# Altium PCB iPlug.PcbDoc (continued)
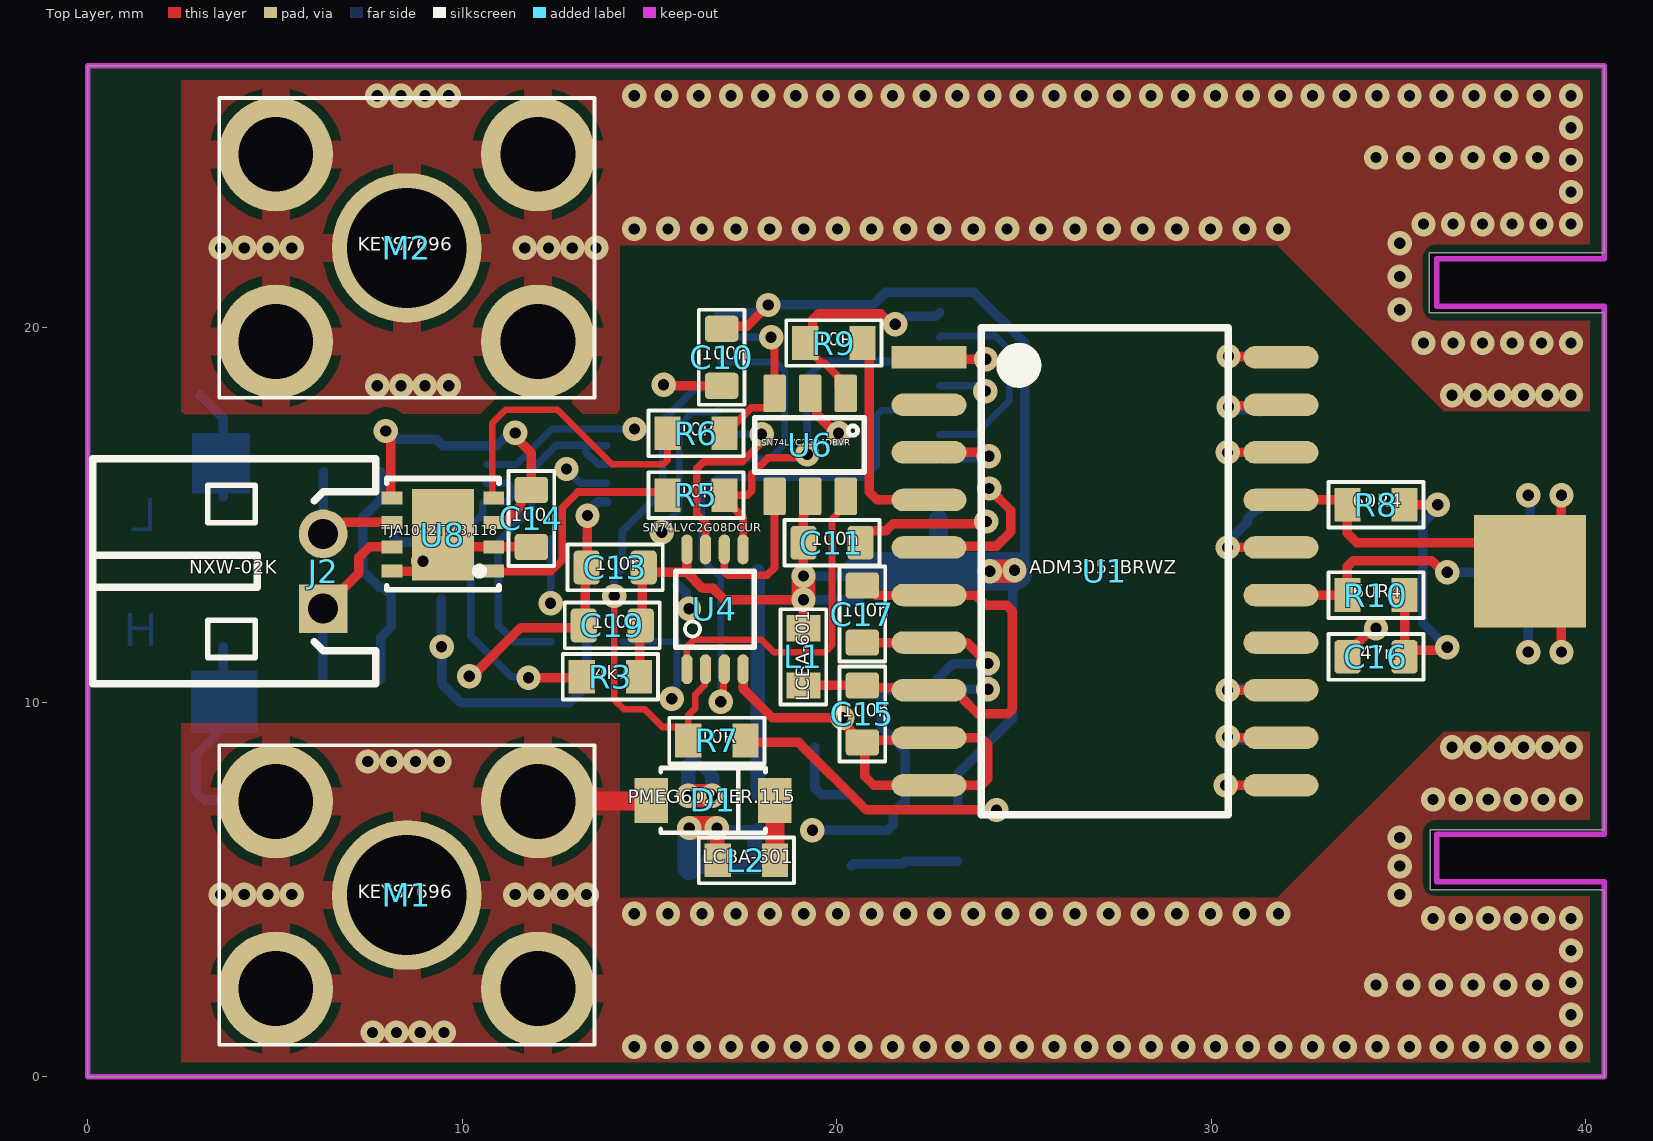
[diagram p0: Top Layer view]
## Design rules (kind name [scope] priority, off if disabled: settings) (continued)
SilkToSolderMaskClearance SilkToSolderMaskClearance_2 [IsPad] p2: minsilkscreentomaskgap=0.254 clearancetoexposedcopper=TRUE
SilkToSolderMaskClearance SilkToSolderMaskClearance_1 [IsPad] p3: minsilkscreentomaskgap=0.254 clearancetoexposedcopper=TRUE
SolderMaskExpansion SolderMaskExpansion_2 [isvia] p1: expansion=-0.762 istentingtop=FALSE
SolderMaskExpansion [All] p2: expansion=0.051 istentingtop=FALSE
UnRoutedNet UnRoutedNet_2 [All] p2:
UnRoutedNet UnRoutedNet_1 [All] p3:
UnpouredPolygon UnpouredPolygon_2 [All] p2:
UnpouredPolygon UnpouredPolygon_1 [All] p3:
Width [All] p1: maxlimit=5.08 minlimit=0.178 preferedwidth=0.254 minimp=50.000000 maximp=50.000000 favimp=50.000000
24 further rules are at their usual default settings.

## Components (designator, comment, footprint, x,y, rotation, side; value= is the part's Value field where it differs from the comment)
C3 "100n" C0603 18.656,8.801 r180 bottom
C4 "10u" C1206 16.065,7 r90 bottom
C5 "10u" C1206 22.72,12.075 r270 bottom
C6 "47n" C0603 8.206,13.614 r270 bottom
C7 "100n" C0603 31.331,18.504 r90 bottom
C8 "47p" C0603 15.735,12.382 r90 bottom
C9 "47p" C0603 10.198,14.186 r180 bottom
C10 "100n" C0603 16.929,19.215 r270 top
C11 "100n" C0603 19.875,14.262 r0 top
C12 "100n" C0603 9.461,16.116 r270 bottom
C13 "100n" C0603 14.084,13.602 r180 top
C14 "100n" C0603 11.847,14.91 r270 top
C15 "100n" C0603 20.688,9.69 r270 top
C16 "47n" C0603 34.404,11.214 r0 top
C17 "100n" C0603 20.688,12.357 r270 top
C18 "10n" C0603 31.305,9.665 r270 bottom
C19 "100n" C0603 14.008,12.052 r180 top
D1 "PMEG6020ER.115" SOD123 16.7,7.379 r180 top
D2 "PMEG6020ER.115" SOD123 19.545,10.325 r0 bottom
D3 "SMCJ33A" DO-214AC 3.619,13.486 r270 bottom
J2 "NXW-02K" JST-2-2-H 6.286,13.5 r270 top locked
L1 "LCBA-601" R0603 19.113,11.214 r270 top
L2 "LCBA-601" R0603 17.589,5.778 r180 top
L3 "22uH" L4040 19.291,13.5 r0 bottom
L5 "LCBA-601" R0603 31.305,15.913 r270 bottom
M1 "KEYS7696" KEY-7696 8.521,4.853 r90 top
M2 "KEYS7696" KEY-7696 8.521,22.136 r90 top
R1 "54k9" R0603 23.228,6.515 r90 bottom
R2 "10k" R0603 21.831,6.515 r270 bottom
R3 "4k7" R0603 13.957,10.681 r0 top
R4 "4k7" R0603 10.198,12.763 r180 bottom
R5 "10R" R0603 16.243,15.532 r180 top
R6 "10R" R0603 16.243,17.183 r180 top
R7 "10R" R0603 16.802,8.979 r180 top
R8 "60R4" R0603 34.404,15.278 r0 top
R9 "10R" R0603 19.926,19.596 r180 top
R10 "60R4" R0603 34.404,12.865 r0 top
R11 "60R4" R0603 7.037,10.592 r0 bottom
R12 "60R4" R0603 7.063,16.154 r0 bottom
TP1 "TP" TP 22.72,14.897 r90 bottom
U1 "ADM3053BRWZ" SOIC-20-W 27.165,13.5 r0 top locked
U2 "LMR16006" SOT-23-6 19.144,6.581 r270 bottom
U3 "SN74LV32APWR" PW0014A_N 19.799,18.453 r180 bottom
U4 "SN74LVC2G08DCUR" VSSOP-8-0.5 16.751,12.484 r90 top
U5 "SN74LVC2G07DBVR" DBV0006A_N 13.322,12.992 r270 bottom
U6 "SN74LVC2G04DBVR" DBV0006A_N 19.291,16.875 r270 top
U7 "SN74LVC2G132DCUT" VSSOP-8-0.5 12.255,16.103 r180 bottom value=SN74LVC2G132
U8 "TJA1042TK/3,118" HVSON8 9.485,14.478 r180 top

## Footprints (in the part's own frame and the unit in brackets; to place one, negate y for a bottom-side part, rotate by r counter-clockwise, add the part's x,y. Pads: shape width x height; smd on the part's side, far side on the other; paste and mask are expansions set on the pad)
C0603 [mm] "Chip Capacitor, Body 1.6x0.8mm, IPC High Density"
  rrect30% 0.7x0.9 smd: 1(-0.762,0) 2(0.762,0)
  silkscreen extent -1.27,-0.61 1.27,0.61, body extent -0.8,-0.4 0.8,0.4, height 0.5
C1206 [mm]
  rect 1.1x1.7 smd: 1(-1.425,0) 2(1.425,0)
  silkscreen extent -0.4,-0.75 0.4,0.75, body extent -1.6,-0.8 1.6,0.8, height 1
DBV0006A_N [mm] "SOT23, 6-Leads, Body 2.9x1.6mm, Pitch 0.95mm, Lead Span 2.8mm, IPC Medium Density"
  rrect17% 1x0.6 smd: 1(-1.375,0.95) 2(-1.375,0) 3(-1.375,-0.95) 4(1.375,-0.95) 5(1.375,0) 6(1.375,0.95)
  silkscreen extent -0.73,-1.48 0.72,1.45, body extent -1.42,-1.46 1.42,1.46, height 1.12
DO-214AC [mil] "HSMA"
  rect 70x85 smd: A(-78.94,0) K(78.94,0)
  silkscreen extent -85,-50 86,51, body extent -108,-55 108,55, height 102
HVSON8 [mm]
  rect 0.55x0.35 smd: 1(-1.36,0.975) 2(-1.36,0.325) 3(-1.36,-0.325) 4(-1.36,-0.975) 5(1.36,-0.975) 6(1.36,-0.325) 7(1.36,0.325) 8(1.36,0.975)
  rect 1.65x2.45 smd: 9(0,0)
  silkscreen extent -1.5,-1.5 1.5,1.48, body extent -1.5,-1.5 1.5,1.48, height 1
JST-2-2-H [mm] "2.00mm Male Vertical Shrouded Header, 2p"
  rect 1.3x1.3 hole 0.8: 1(1,0)
  round 1.3 hole 0.8: 2(-1,0)
  silkscreen extent -3,-6.15 3,1.4, body extent -3,-6.2 3,1.4, height 4.81
KEY-7696 [mm]
  round 3.048 hole 2: 1(-2.5,3.5) 2(2.5,3.5) 3(-2.5,-3.5) 4(2.5,-3.5)
  round 4 hole 3.2: 5(0,0)
  silkscreen extent -4,-5.01 4,5.01, body extent -3.89,-4.64 3.99,4.5, height 8.14
L4040 [mm]
  rect 1.2x3.7 smd: 1(-1.4,0) 2(1.4,0)
  silkscreen extent -2,-2 2,2, body extent -2,-2 2,2, height 1.1
PW0014A_N [mm] "TSOP, 14-Leads, Body 5x4.4mm, Pitch 0.65mm, IPC Medium Density"
  rect 1.4x0.45 smd: 1(-2.95,1.95)
  oval 1.4x0.45 smd: 2(-2.95,1.3) 3(-2.95,0.65) 4(-2.95,0) 5(-2.95,-0.65) 6(-2.95,-1.3) 7(-2.95,-1.95) 8(2.95,-1.95) 9(2.95,-1.3) 10(2.95,-0.65) 11(2.95,0) 12(2.95,0.65) 13(2.95,1.3) 14(2.95,1.95)
  silkscreen extent -2,-2.5 2,2.5, body extent -3.21,-2.5 3.21,2.5, height 1
R0603 [mm] "Chip Resistor, Body 1.6x0.8mm, IPC High Density"
  rect 0.7x0.9 smd: 1(-0.762,0) 2(0.762,0)
  silkscreen extent -1.27,-0.61 1.27,0.61, body extent -0.8,-0.42 0.84,0.43, height 0.46
SOD123 [mm]
  rect 0.9x1.2 smd: 1(1.65,0) 2(-1.65,0)
  silkscreen extent -1.4,-0.86 1.4,0.86, body extent -1.85,-0.86 2,0.84, height 1.46
SOIC-20-W [mm]
  rect 2x0.6 smd: 1(-4.7,5.715)
  oval 2x0.6 smd: 2(-4.7,4.445) 3(-4.7,3.175) 4(-4.7,1.905) 5(-4.7,0.635) 6(-4.7,-0.635) 7(-4.7,-1.905) 8(-4.7,-3.175) 9(-4.7,-4.445) 10(-4.7,-5.715) 11(4.7,-5.715) 12(4.7,-4.445) 13(4.7,-3.175) 14(4.7,-1.905) 15(4.7,-0.635) 16(4.7,0.635) 17(4.7,1.905) 18(4.7,3.175) 19(4.7,4.445) 20(4.7,5.715)
  silkscreen extent -3.3,-6.5 3.3,6.5, body extent -5.1,-6.45 5.2,6.35, height 2.65
SOT-23-6 [mm]
  rect 0.6x1.2 smd: 1(-0.95,-1.25)
  oval 0.6x1.2 smd: 2(0,-1.25) 3(0.95,-1.25) 4(0.95,1.25) 5(0,1.25) 6(-0.95,1.25)
  silkscreen extent -1.92,-1.33 1.5,0.42, body extent -1.5,-1.58 1.5,1.42, height 1.3
TP [mil]
  round 40 smd paste-100: 1(0,0)
VSSOP-8-0.5 [mm] "TSSOP, 8-Leads, Body 2x2.3mm, Pitch 0.5mm, IPC Medium Density"
  oval 0.8x0.3 smd: 1(-1.6,0.75) 2(-1.6,0.25) 3(-1.6,-0.25) 4(-1.6,-0.75) 5(1.6,-0.75) 6(1.6,-0.25) 7(1.6,0.25) 8(1.6,0.75)
  silkscreen extent -1.02,-1.05 1.02,1.05, body extent -1.56,-1 1.56,1, height 0.9

## Part data
C3 C7 C10 C11 C12 C13 C14 C15 C17 C19: library part C-013, "Capacitor: ceramic; 100nF; 50V; X7R; ±10%; SMD; 0603; Series: GRM", Manufacturer=Murata, Part Number=GRM188R71H104KA93D, ComponentLink1Description=Datasheet, ComponentLink1URL=D:\Datasheets\.pdf, ComponentLink2Description=Dostawca, ComponentLink2URL=http://www.tme.eu/pl/katalog/?idp=1&search=GRM188R71H104KA93D, Indeks=C-0013, Supplier=TME, Supplier Code=GRM188R71H104KA93D
C4 C5: library part C-022, "Capacitor: ceramic; 10uF; 35V; X7R; ±10%; SMD; 1206", Manufacturer=Samnsung, Part Number=CL31B106KLHNNNE, ComponentLink1Description=Datasheet, ComponentLink1URL=D:\Datasheets\.pdf, ComponentLink2Description=Dostawca, ComponentLink2URL=http://www.tme.eu/pl/katalog/?idp=1&search=CL31B106KLHNNNE, Indeks=C-0019, Supplier=TME, Supplier Code=CL31B106KLHNNNE
C6 C16: library part C-012, "Capacitor: ceramic; MLCC; 47nF; 50V; X7R; ±10%; SMD; 0603", Manufacturer=Kemet, Part Number=C0603C473K5RACTU, ComponentLink1Description=Datasheet, ComponentLink1URL=D:\Datasheets\.pdf, ComponentLink2Description=Dostawca, ComponentLink2URL=http://www.tme.eu/pl/katalog/?idp=1&search=C0603C473K5RAC, Indeks=C-0012, Supplier=TME, Supplier Code=C0603C473K5RAC
C8 C9: library part C-004, "Capacitor: ceramic; 47pF; 100V; C0G; ±5%; SMD; 0603", Manufacturer=AVX, Part Number=06031A470JAT2A, ComponentLink1Description=Datasheet, ComponentLink1URL=D:\Datasheets\.pdf, ComponentLink2Description=Dostawca, ComponentLink2URL=http://www.tme.eu/pl/katalog/?idp=1&search=06031A470JAT2A, Indeks=C-004, Supplier=TME, Supplier Code=06031A470JAT2A
C18: library part C-011, "Capacitor: ceramic; MLCC; 10nF; 50V; X7R; ±5%; SMD; 0603", Manufacturer=Vishay, Part Number=VJ0603Y103JXACW1BC, ComponentLink1Description=Datasheet, ComponentLink1URL=D:\Datasheets\.pdf, ComponentLink2Description=Dostawca, ComponentLink2URL=http://www.tme.eu/pl/katalog/?idp=1&search=VJ0603Y103JXACW1BC, Indeks=C-0011, Supplier=TME, Supplier Code=VJ0603Y103JXACW1BC
D1 D2: library part STPS2H100A, "Diode: Schottky rectifying; SMD; 60V; 2A; SOD123W", Manufacturer=Nexperia, ComponentLink1Description=Datasheet, ComponentLink1URL=E:\Datasheets\PMEG6020ER.115.pdf, ComponentLink2Description=Dostawca, ComponentLink2URL=http://www.tme.eu/pl/katalog/?idp=1&search=PMEG6020ER.115, Supplier=TME, Supplier Code=PMEG6020ER.115
D3: library part D_Transil_Uni, "Transil", Manufacturer=ST, ComponentLink1Description=Datasheet, ComponentLink1URL=E:\Datasheets\, ComponentLink2Description=Dostawca, ComponentLink2URL=http://www.tme.eu/pl/katalog/?idp=1&search=, Supplier=TME, Supplier Code=SMCJ33A
J2: "Socket; wire-board; male; angled 2mm; PIN:2; THT; 1A; tinned", Manufacturer=Ninigi, ComponentLink1Description=Datasheet, ComponentLink1URL=D:\Datasheets\.pdf, ComponentLink2Description=Dostawca, ComponentLink2URL=http://www.tme.eu/pl/katalog/?idp=1&search=NXW-02K, Part Number=NXW-02K, Supplier=TME, Supplier Code=NXW-02K
L1 L2 L5: "Ferrite: bead; Imp.@ 100MHz:600Ohm; Mounting: SMD; 1A; Case:0603", Manufacturer=Ferrocore, ComponentLink1Description=Datasheet, ComponentLink1URL=D:\Datasheets\.pdf, ComponentLink2Description=Dostawca, Indeks=IND, Part Number=LCBA-601, Supplier=TME, Supplier Code=LCBA-601
L3: library part L4040, "Inductor: wire; SMD; 1515; 22uH; 790mA; 0.37R; 4x4x1.65mm", Manufacturer=Murata, Part Number=LQH44PN220MP0L, ComponentLink1Description=Datasheet, ComponentLink1URL=D:\Datasheets\.pdf, ComponentLink2Description=Dostawca, Indeks=IND, Supplier=TME, Supplier Code=LQH44PN220MP0L
M1 M2: library part "M3 pcb", "Terminal: screw terminal; THT, screw terminal; silver; 7x5mm", Manufacturer=Keystone, Part Number=7696, ComponentLink1Description=Datasheet, ComponentLink1URL=E:\Datasheets\7696.pdf, ComponentLink2Description=Dostawca, Supplier=TME, Supplier Code=KEYS7696
R1: library part R-016, "Resistor: thick film; SMD; 0603; 54.9k; 0.1W; ±1%;", Manufacturer=Yageo, Part Number=RC0603FR-0754K9L, Tolerance=1%, ComponentLink1Description=Datasheet, ComponentLink1URL=D:\Datasheets\.pdf, ComponentLink2Description=Dostawca, ComponentLink2URL=http://www.tme.eu/pl/katalog/?idp=1&search=RC0603FR-0754K9L, Indeks=R-016, Supplier=TME, Supplier Code=RC0603FR-0754K9L
R2: library part R-012, "Resistor: thick film; SMD; 0603; 10k; 0.125W; ±5%", Manufacturer=Walsin, Part Number=WF06P103JTL, Tolerance=5%, ComponentLink1Description=Datasheet, ComponentLink1URL=D:\Datasheets\.pdf, ComponentLink2Description=Dostawca, ComponentLink2URL=http://www.tme.eu/pl/katalog/?idp=1&search=WF06P-10K-5%, Indeks=R-011, Supplier=TME, Supplier Code=WF06P-10K-5%
R3 R4: library part R-011, "Resistor: thick film; SMD; 0603; 4.7k; 0.125W; ±5%", Manufacturer=Walsin, Part Number=WF06P472JTL, Tolerance=5%, ComponentLink1Description=Datasheet, ComponentLink1URL=D:\Datasheets\.pdf, ComponentLink2Description=Dostawca, ComponentLink2URL=http://www.tme.eu/pl/katalog/?idp=1&search=WF06P-4K7-5%, Indeks=R-011, Supplier=TME, Supplier Code=WF06P-4K7-5%
R5 R6 R7 R9: library part R-001, "Resistor: thick film; SMD; 0603; 10R; 0.1W; ±5%", Manufacturer="Royal Ohm", Part Number=0603SAJ0100T5E, Tolerance=5%, ComponentLink1Description=Datasheet, ComponentLink1URL=D:\Datasheets\.pdf, ComponentLink2Description=Dostawca, ComponentLink2URL=http://www.tme.eu/pl/katalog/?idp=1&search=SMD0603-10R, Indeks=R-001, Supplier=TME, Supplier Code=SMD0603-10R
R8 R10 R11 R12: library part R-044, "Resistor: thick film; SMD; 0603; 60R4; 0.1W;", Manufacturer="Royal Ohm", Part Number=0603SAF604JT5E, Tolerance=1%, ComponentLink1Description=Datasheet, ComponentLink1URL=D:\Datasheets\.pdf, ComponentLink2Description=Dostawca, ComponentLink2URL=http://www.tme.eu/pl/katalog/?idp=1&search=SMD0603-60R4-1%, Indeks=R-044, Supplier=TME, Supplier Code=SMD0603-60R4-1%
TP1: "Test point", ComponentLink1Description=Datasheet, ComponentLink1URL=D:\Datasheets\.pdf, ComponentLink2Description=Dostawca
U1: "Signal and Power Isolated CAN Transceiver with Integrated Isolated DC-to-DC Converter", Manufacturer="Analog Devices", Part Number=ADM3053BRWZ-REEL7, ComponentLink1Description=Datasheet, ComponentLink1URL=E:\Datasheets\ADM3053.pdf, ComponentLink2Description=Dostawca, ComponentLink2URL=http://www.tme.eu/pl/katalog/?idp=1&search=ADM3053BRWZ-REEL7, Supplier=TME, Supplier Code=ADM3053BRWZ-REEL7
U2: "60 V 0.6 A Buck Regulators With High Efficiency ECO  Mode", Manufacturer=ST, Part Number=LMR16006XDDCR, ComponentLink1Description=Datasheet, ComponentLink1URL=E:\Datasheets\lmr16006.pdf, ComponentLink2Description=Dostawca, ComponentLink2URL=http://pl.farnell.com/search?st=2781719, Supplier=Farnell, Supplier Code=2781719
U3: library part CMP-0050867-1, "Quadruple 2-Input Positive-OR Gates, PW0014A, LARGE T&R", F @ Nom Voltage(Max)(Mhz)=70, Generic Part Number=SN74LV32A, ICC @ Nom Voltage(Max)(mA)=0.02, Manufacturer="Texas Instruments", Operating Temperature Range(C)="-40 to 125,-40 to 85", Rating=Catalog, tpd @ Nom Voltage(Max)(ns)=19,13,8.5, Voltage(Nom)(V)=2.5,3.3,5, Bits(#)=4, DatasheetVersion=SCLS385K, Input Type=TTL, Output Drive (IOL/IOH)(Max)(mA)=50/-50, Output Type=TTL, PackageReference=PW0014A, PackageVersion=http://www.ti.com/lit/ml/mpds360/mpds360.pdf, PartNumber=SN74LV32APWR, Supplier=Farnell, Supplier Code=2342502, VCC(Max)(V)=5.5, VCC(Min)(V)=2
U4: "Dual 2-Input Positive-AND Gate, DCU0008A, LARGE T&R", Supplier Part Number 1=595-SN74LVC2G08DCUR, ComponentLink1Description="Manufacturer URL", ComponentLink1URL=http://www.ti.com/, ComponentLink2Description=Datasheet, ComponentLink2URL=http://www.ti.com/lit/ds/symlink/sn74lvc2g08.pdf, DatasheetVersion=SCES198M, PackageReference=DCU0008A, PartNumber=SN74LVC2G08DCUR, Supplier=Farnell, Supplier 1=Mouser, Supplier 2=Digi-Key, Supplier 3=Digi-Key, Supplier 4=Digi-Key, Supplier Code=3120647, Supplier Part Number 2=296-13264-2-ND, Supplier Part Number 3=296-13264-1-ND, Supplier Part Number 4=296-13264-6-ND
U5: "Dual Buffer/Driver with Open-Drain Output, DBV0006A, LARGE T&R", F @ Nom Voltage(Max)(Mhz)=150, Generic Part Number=SN74LVC2G07, ICC @ Nom Voltage(Max)(mA)=0.01, Manufacturer="Texas Instruments", Operating Temperature Range(C)="-40 to 125", Rating=Catalog, Supplier Part Number 1=595-SN74LVC2G07DBVR, tpd @ Nom Voltage(Max)(ns)=8.6,4.4,3.7,2.9, Voltage(Nom)(V)=1.8,2.5,3.3,5, 3-State Output=No, Bits(#)=2, ComponentLink1Description="Manufacturer URL", ComponentLink1URL=http://www.ti.com/, ComponentLink2Description=Datasheet, ComponentLink2URL=http://www.ti.com/lit/ds/symlink/sn74lvc2g07.pdf, DatasheetVersion=SCES308K, Input Type=CMOS/TTL, Logic=True, Output Drive (IOL/IOH)(Max)(mA)=32/-32, Output Type=CMOS, PackageReference=DBV0006A, PartNumber=SN74LVC2G07DBVR, Schmitt Trigger=No, Sub-Family="Inverting Buffer/Driver", Supplier=Farnell, Supplier 1=Mouser, Supplier 2=Digi-Key, Supplier 3=Digi-Key, Supplier 4=Digi-Key, Supplier Code=3119641, Supplier Part Number 2=296-13494-2-ND, Supplier Part Number 3=296-13494-1-ND, Supplier Part Number 4=296-13494-6-ND, Technology Family=LVC, VCC(Max)(V)=5.5, VCC(Min)(V)=1.65
U6: "Dual Inverter, DBV0006A, LARGE T&R", F @ Nom Voltage(Max)(Mhz)=150, Generic Part Number=SN74LVC2G04, ICC @ Nom Voltage(Max)(mA)=0.01, Manufacturer="Texas Instruments", Operating Temperature Range(C)="-40 to 125", Rating=Catalog, Supplier Part Number 1=595-SN74LVC2G04DBVR, tpd @ Nom Voltage(Max)(ns)=8,4.9,4.6,3.7, Voltage(Nom)(V)=1.8,2.5,3.3,5, 3-State Output=No, Bits(#)=2, ComponentLink1Description="Manufacturer URL", ComponentLink1URL=http://www.ti.com/, ComponentLink2Description=Datasheet, ComponentLink2URL=http://www.ti.com/lit/ds/symlink/sn74lvc2g04.pdf, DatasheetVersion=SCES195M, Input Type=CMOS/TTL, Logic=Inverting, Output Drive (IOL/IOH)(Max)(mA)=32/-32, Output Type=CMOS, PackageReference=DBV0006A, PartNumber=SN74LVC2G04DBVR, Schmitt Trigger=No, Sub-Family="Inverting Buffer/Driver", Supplier=Farnell, Supplier 1=Mouser, Supplier 2=Digi-Key, Supplier 3=Digi-Key, Supplier 4=Digi-Key, Supplier Code=1417293, Supplier Part Number 2=296-13261-2-ND, Supplier Part Number 3=296-13261-1-ND, Supplier Part Number 4=296-13261-6-ND, Technology Family=LVC, VCC(Max)(V)=5.5, VCC(Min)(V)=1.65
U7: library part SN74LVC2G132DCTR, "Dual 2-Input NAND Gate with Schmitt-Trigger Inputs", ComponentLink1Description=Datasheet, ComponentLink1URL=E:\Datasheets\SN74LVC2G132DCTR.pdf, ComponentLink2Description=Dostawca, ComponentLink2URL=http://pl.farnell.com//3120651, PartNumber=SN74LVC2G132DCUT, Supplier=Farnell, Supplier Code=3120651
U8: library part TJA1042TK/3.118, "CAN transceiver,wake up;5Mbps", Manufacturer=NXP, ComponentLink1Description=Datasheet, ComponentLink1URL=E:\Datasheets\TJA1042T.pdf, ComponentLink2Description=Dostawca, ComponentLink2URL=https://pl.farnell.com/search?st=2400548, Part Number=TJA1042TK/3,118, Supplier=Farnell, Supplier Code=2400548

## Free pads (board coordinates)
  rect 3x3 smd: 4(38.519,13.5)
  rect 3x3 smd far side: 4(38.519,13.5)

## Via types
v1: diameter 0.65, hole 0.3, Top Layer to Bottom Layer, 247 vias

## Nets (pads, with @x,y where several pads share a name; then routed paths per layer and width w, separated by ;. In a path a pad name is that pad's centre, name@x,y a point inside that pad or via, vN(x,y) a via of type N, cw(c..) or ccw(c..) an arc to the next point about the centre after c; other vN are vias at no path point)
+5V: C5.1 C10.1 C11.1 C12.1 C13.1 C14.1 C19.1 L1.1 L3.2 R1.2 R3.2 R4.2 TP1.1 U3.14 U4.8 U5.5 U6.5 U7.8 U8.3 U8.5 | length 80.8
  Top Layer w0.254: v1(7.961,17.247) 7.961,17.17 8.094,17.038 8.094,15.484 U8.5 ; U8.3 10.893,14.851 11.179,14.851 11.506,15.178 11.747,15.672 C14.1 11.847,16.657 11.415,17.089 v1(11.415,17.196) ; R3.2 14.744,10.706 14.744,12.027 14.808,12.09 14.808,13.564 C13.1 ; C13.1@14.973,13.475 16.001,13.475 ; U4.8 16.001,13.475 ; C10.1 17.001,20.05 17.611,20.05 v1(18.173,20.612) ; L1.1 v1(19.113,12.738) 17.005,12.738 16.7,13.043 16.421,13.043 16.001,13.463 16.001,13.475 ; v1(19.113,13.373) C11.1 19.113,14.978 19.118,14.983 19.118,15.327 U6.5
  Top Layer w0.508: v1@24.041,13.449 v1(24.092,13.5)
  Top Layer w0.635: v1(19.113,12.738) v1(19.113,13.373) ; v1(24.092,13.5) 24.094,13.503 24.725,13.503 24.748,13.525 v1(24.752,13.525)
  Int1 (GND) w0.635: v1(24.092,13.5) 24.094,13.503 24.725,13.503 24.748,13.525 v1(24.752,13.525)
  Int1 (GND) w0.711: v1(19.113,12.738) v1(19.113,13.373)
  Int2 (PWR) w0.508: v1(9.45,11.481) 9.463,11.493 18.816,11.493 19.113,11.791 v1(19.113,12.738) v1(19.113,13.373) ; 11.29,11.519 11.29,14.275 11.415,14.401 v1(11.415,17.196)
  Bottom Layer w0.254: v1(7.961,17.247) 8.068,17.247 8.291,17.023 9.316,17.023 9.487,16.853 10.917,16.853 11.185,17.12 11.34,17.12 v1(11.415,17.196) ; R4.2 9.443,12.756 9.443,11.488 v1(9.45,11.481) 9.45,10.503 9.971,9.982 12.852,9.982 13.322,10.452 U5.5 ; U3.14 16.855,20.409 17.863,20.409 18.066,20.612 v1(18.173,20.612) 20.967,20.612 21.303,20.948 23.672,20.948 25.026,19.593 25.026,13.8 24.777,13.551 24.701,13.475 24.701,9.563 23.228,8.09 R1.2 ; v1(19.113,12.738) 20.561,12.738 20.691,12.868 20.691,13.373 L3.2 20.564,13.373 v1(19.113,13.373)
  Bottom Layer w0.508: C5.1 TP1.1 ; v1@24.066,13.5 v1(24.092,13.5)
  Bottom Layer w0.635: v1(19.113,12.738) v1(19.113,13.373)
  Bottom Layer w1.016: L3.2 C5.1 v1@24.066,13.5 ; v1(24.092,13.5) v1@24.727,13.5
CAN1H: J2.1 R11.1 U8.7 | length 4.7
  Top Layer w0.254: J2.1 7.24,13.454 7.24,13.868 7.525,14.153 U8.7
  Bottom Layer w0.254: R11.1 6.275,12.489 J2.1
CAN1L: J2.2 R12.1 U8.6 | length 3.6
  Top Layer w0.254: J2.2@6.286,14.525 6.569,14.525 6.847,14.803 U8.6 ; J2.2@6.286,14.868 J2.2@6.306,14.848
  Bottom Layer w0.254: J2.2 6.293,14.507 6.293,16.147 R12.1
CAN2H: pad.4@38.519,13.5 R8.1 U1.17 | length 12.8
  Top Layer w0.254: U1.17 33.515,15.405 R8.1 33.642,14.516 33.896,14.262 37.96,14.262 pad.4@38.519,13.5 ; v1(39.357,11.341) 39.357,12.662 pad.4@38.519,13.5 ; v1(39.357,15.532) 39.357,14.338 pad.4@38.519,13.5
CAN2L: pad.4@38.519,13.5 R10.1 U1.15 | length 11.8
  Top Layer w0.254: U1.15 R10.1 33.642,13.631 33.791,13.779 35.897,13.779 36.202,13.475 v1(36.309,13.475)
  Bottom Layer w0.254: v1(36.309,13.475) pad.4@38.493,13.475 ; v1(38.468,11.341) 38.468,13.449 pad.4@38.493,13.475 ; v1(38.468,15.532) 38.519,15.481 38.519,13.5 pad.4@38.493,13.475
GND: C4.2 C5.2 C6.1 C8.2 C9.2 C10.2 C11.2 C12.2 C13.2 C14.2 C15.2 C17.2 C19.2 D2.1 D3.A M2.1 M2.2 M2.3 M2.4 M2.5 R2.1 U1.1 U1.3 U1.7 U1.9 U1.10 U2.2 U3.7 U4.4 U5.2 U6.2 U7.4 U8.2 U8.8 U8.9 | length 71.5
  Top Layer w0.254: U8.8 8.787,13.503 8.952,13.668 v1(8.952,13.767) ; U8.9 9.81,14.153 U8.2@10.945,14.153 ; v1(10.187,10.693) 10.261,10.693 11.56,11.992 13.186,11.992 C19.2@13.284,12.09 ; U8.2 10.848,14.15 11.845,14.15 C14.2 ; C19.2 C19.2@13.284,12.09 ; C13.2 C13.2@13.334,13.614 ; v1(13.346,14.986) 13.334,14.974 C13.2@13.334,13.614 ; v1(15.379,18.478) 15.379,18.475 15.405,18.449 15.409,18.453 C10.2 ; U4.4 17.51,10.875 17.51,10.354 18.275,9.588 v1(20.155,9.588) ; U6.2 19.464,18.077 19.464,17.701 19.982,17.183 v1(20.053,17.183) ; v1@20.091,9.525 C15.2 C15.2@20.752,8.992 ; C11.2 20.637,14.362 20.86,14.585 21.324,14.585 21.514,14.775 23.942,14.775 v1(23.995,14.828) ; C17.2 U1.7 23.482,11.595 v1(24.041,11.036) ; U1.3 23.857,16.675 23.959,16.573 v1(24.066,16.573) ; U1.1 22.541,19.291 22.719,19.113 22.77,19.164 v1(23.99,19.164) ; C19.2@13.284,12.09 13.284,13.564 C13.2@13.334,13.614 ; C15.2@20.752,8.992 20.752,8.026 20.993,7.785 U1.10 22.471,7.791 23.869,7.791 24.041,7.963 24.041,8.877 23.863,9.055 U1.9 22.402,8.992 C15.2@20.752,8.992
  Top Layer w0.635: v1(16.04,7.506) v1(16.675,7.506)
  Int1 (GND) w0.508: v1(8.952,13.767) 8.952,17.891 8.824,18.019 v1@9.131,18.326
  Int2 (PWR) w0.254: v1(23.995,14.828) 23.995,14.801 23.436,14.242 23.436,11.641 v1(24.041,11.036)
  Int2 (PWR) w0.635: v1(16.04,7.506) v1(16.675,7.506)
  Bottom Layer w0.254: 3.01,18.212 3.01,18.186 3.619,17.577 D3.A ; C6.1@8.167,14.415 C6.1 8.301,14.281 9.341,14.281 C9.2 ; v1@8.952,13.66 v1(8.952,13.767) 9.059,13.767 9.155,13.863 9.213,13.863 9.436,14.086 C9.2 ; C12.2 9.449,15.342 9.449,14.199 C9.2 ; v1@13.271,15.009 13.615,15.353 U7.4 ; U5.2 13.334,14.379 13.334,14.974 v1(13.346,14.986) ; C8.2 15.757,13.144 15.98,12.921 15.98,12.574 v1(16.056,12.499) ; C4.2@16.04,8.247 15.964,8.324 C4.2 16.252,8.425 C4.2@16.675,8.002 ; v1(19.352,6.581) U2.2 21.359,6.581 21.508,6.73 21.508,7.054 21.731,7.277 R2.1 21.831,8.699 21.195,9.335 D2.1 22.395,10.325 C5.2 ; U3.7 22.784,16.538 24.031,16.538 v1(24.066,16.573) ; C5.2 23.02,10.35 v1(24.041,10.35) v1(24.041,11.036) 23.106,11.036 C5.2
  Bottom Layer w0.381: v1(16.04,7.506) C4.2@16.04,8.247 ; v1(16.675,7.506) C4.2@16.675,8.002
  Bottom Layer w0.635: v1(16.04,7.506) v1(16.675,7.506)
  other v1: 36.436,18.199 37.071,18.199 37.706,18.199 38.341,18.199 38.976,18.199 39.611,18.199 7.734,18.453 8.369,18.453 9.004,18.453 9.639,18.453 35.674,19.596 36.461,19.596 37.249,19.596 38.036,19.596 38.824,19.596 39.611,19.596 35.039,20.485 35.039,21.374 3.543,22.136 4.178,22.136 4.813,22.136 5.448,22.136 11.671,22.136 12.306,22.136 12.941,22.136 13.576,22.136 35.039,22.263 14.592,22.644 15.498,22.644 16.403,22.644 17.309,22.644 18.214,22.644 19.12,22.644 20.025,22.644 20.931,22.644 21.837,22.644 22.742,22.644 23.648,22.644 24.553,22.644 25.459,22.644 26.364,22.644 27.27,22.644 28.175,22.644 29.081,22.644 29.987,22.644 30.892,22.644 31.798,22.644 35.674,22.771 36.461,22.771 37.249,22.771 38.036,22.771 38.824,22.771 39.611,22.771 39.611,23.628 39.611,24.486 34.404,24.549 35.267,24.549 36.129,24.549 36.992,24.549 37.855,24.549 38.718,24.549 39.611,25.343 7.734,26.2 8.369,26.2 9.004,26.2 9.639,26.2 14.592,26.2 15.455,26.2 16.317,26.2 17.18,26.2 18.043,26.2 18.906,26.2 19.768,26.2 20.631,26.2 21.494,26.2 22.357,26.2 23.219,26.2 24.082,26.2 24.945,26.2 25.807,26.2 26.67,26.2 27.533,26.2 28.396,26.2 29.258,26.2 30.121,26.2 30.984,26.2 31.846,26.2 32.709,26.2 33.572,26.2 34.435,26.2 35.297,26.2 36.16,26.2 37.023,26.2 37.886,26.2 38.748,26.2 39.611,26.2
GND_I: C7.2 C16.1 C18.1 L5.2 U1.11 U1.13 U1.16 U1.20 | length 10.1
  Top Layer w0.254: v1(30.391,7.785) 31.863,7.785 31.864,7.784 U1.11 ; v1(30.442,10.325) U1.13 ; v1(30.442,14.135) 31.814,14.135 31.84,14.11 U1.16 ; v1(30.467,19.24) 30.48,19.228 31.852,19.228 U1.20 ; C16.1 33.642,11.314 34.304,11.976 v1(34.404,11.976)
  Bottom Layer w0.254: v1(30.442,10.325) 30.492,10.376 31.254,10.376 C18.1 ; v1(30.442,14.135) 30.517,14.211 30.517,14.363 30.982,14.828 30.982,14.928 31.205,15.151 L5.2 ; v1(30.467,19.24) 30.48,19.253 31.318,19.253 C7.2
NetC3_1: C3.1 U2.1 | length 2.1
  Bottom Layer w0.254: C3.1 19.418,7.709 19.596,7.531 U2.1
NetC3_2: C3.2 D2.2 L3.1 U2.6 | length 6
  Bottom Layer w0.381: L3.1 17.894,13.497 C3.2 U2.6
NetC4_1: C4.1 L2.2 U2.4 U2.5 | length 9.9
  Top Layer w0.381: v1(16.802,6.642) 16.815,6.629 16.815,5.791 L2.2
  Top Layer w0.635: v1(16.065,6.642) v1(16.802,6.642)
  Int1 (GND) w0.635: v1(16.065,6.642) v1(16.802,6.642)
  Int2 (PWR) w0.635: v1(16.065,6.642) v1(16.802,6.642)
  Bottom Layer w0.381: C4.1 16.093,5.603 C4.1@16.393,5.603 ; U2.4@17.816,5.631 17.816,6.504 U2.5@17.852,6.539 ; U2.4 17.866,5.603 C4.1@16.393,5.603 ; U2.5 U2.5@17.852,6.539 ; C4.1@16.393,5.603 16.725,5.935 16.725,6.539 U2.5@17.852,6.539
  Bottom Layer w0.635: C4.1 v1(16.065,6.642) v1(16.802,6.642)
NetC6_2: C6.2 R11.2 R12.2 | length 6.3
  Bottom Layer w0.254: R11.2 7.825,10.617 7.825,11.735 8.11,12.021 8.11,12.848 7.883,13.075 7.785,13.075 7.342,13.518 7.342,14.935 7.825,15.418 R12.2
NetC7_1: C7.1 C18.2 U1.12 U1.19 | length 14.7
  Top Layer w0.254: v1(30.442,9.08) 30.467,9.055 U1.12 ; v1(30.467,17.894) 30.492,17.92 31.84,17.92 U1.19
  Int2 (PWR) w0.254: v1(30.442,9.08) 31.084,9.08 31.356,9.353 31.356,17.005 v1(30.467,17.894)
  Bottom Layer w0.254: v1(30.442,9.08) 30.517,9.005 31.203,9.005 C18.2 ; v1(30.467,17.894) 30.543,17.818 31.254,17.818 C7.1
NetC8_1: C8.1 R3.1 U5.4 U7.5 U7.6 | length 16
  Top Layer w0.254: v1@11.844,10.708 11.896,10.655 13.17,10.655 R3.1
  Int2 (PWR) w0.203: v1(11.773,10.655) 15.043,10.655 15.597,10.101 v1(15.597,10.093)
  Bottom Layer w0.178: U5.4 15.732,11.617 C8.1 15.735,10.452 15.686,10.403 15.686,10.193 15.597,10.105 v1(15.597,10.093)
  Bottom Layer w0.203: U7.6 11.196,15.853 11.315,15.734 11.315,15.472 11.215,15.371 10.674,15.371 U7.5 10.591,15.353 10.546,15.308 10.546,15.017 10.223,14.694 10.223,11.773 11.315,10.681 11.746,10.681 v1(11.773,10.655)
NetC9_1: C9.1 R4.1 U5.6 U7.1 U7.2 | length 9.3
  Bottom Layer w0.203: U5.6 11.395,11.617 10.96,12.052 R4.1 C9.1 10.96,14.286 11.849,15.175 11.849,16.192 12.517,16.86 13.289,16.86 13.297,16.853 ; U7.2 13.628,16.353 13.297,16.684 13.297,16.853 ; U7.1 13.297,16.853
NetC15_1: C15.1 C17.1 L1.2 U1.6 U1.8 | length 12.7
  Top Layer w0.254: L1.2@19.291,10.452 C15.1 20.752,10.389 22.402,10.389 U1.8 23.152,10.325 23.386,10.091 23.386,10.079 23.769,9.695 24.579,9.695 24.696,9.812 24.696,12.438 24.549,12.586 23.99,12.586 23.711,12.865 U1.6 21.042,12.865 20.788,13.119 C17.1
NetC16_2: C16.2 R8.2 R10.2 | length 8
  Top Layer w0.254: C16.2 35.344,11.392 36.233,11.392 v1(36.309,11.468) ; C16.2@35.166,11.278 R10.2 ; R8.2 v1(36.055,15.278)
  Bottom Layer w0.254: v1(36.055,15.278) 36.055,15.171 35.654,14.77 35.654,12.123 v1(36.309,11.468)
NetD1_2: D1.2 L2.1 | length 1.6
  Top Layer w0.508: L2.1 D1.2
NetL5_1: L5.1 U1.18 | length 2.3
  Top Layer w0.254: v1(30.442,16.675) U1.18
  Bottom Layer w0.254: v1(30.442,16.675) L5.1
NetR1_1: R1.1 R2.2 U2.3 | length 2.9
  Bottom Layer w0.254: U2.3 20.455,5.692 21.77,5.692 R2.2 R1.1
NetR5_2: R5.2 U8.1 | length 6.4
  Top Layer w0.203: U8.1 10.855,13.493 12.362,13.493 12.667,13.798 12.667,15.198 13.085,15.616 15.397,15.616 R5.2
NetR6_2: R6.2 U8.4 | length 8.2
  Top Layer w0.178: U8.4 10.798,15.5 10.798,17.451 11.16,17.813 12.543,17.813 13.994,16.362 15.377,16.362 15.481,16.466 R6.2
NetR7_1: R7.1 U1.5 | length 21.8
  Top Layer w0.254: R7.1 17.615,8.928 18.986,8.928 20.79,7.125 v1(24.269,7.125) ; U1.5 22.503,14.173 24.274,14.173 24.65,14.549 24.65,15.131 v1(24.071,15.71)
  Int2 (PWR) w0.254: v1(24.071,15.71) 22.949,15.71 22.517,15.278 22.517,8.877 v1(24.269,7.125)
NetR9_1: R9.1 U1.4 | length 5.7
  Top Layer w0.254: R9.1 20.871,19.413 20.871,15.618 21.084,15.405 U1.4
NetU3_2: U3.2 U3.6 | length 5.6
  Bottom Layer w0.178: U3.6 23.716,17.153 24.607,18.044 24.607,19.42 24.246,19.781 22.777,19.781 U3.2
NetU3_4: U3.4 U7.3 | length 20.2
  Int2 (PWR) w0.203: v1(12.787,16.231) 12.696,16.14 12.687,16.14 12.281,15.734 12.281,14.541 12.91,13.912 16.553,13.912 17.183,14.541 17.183,17.894 17.6,18.311 v1(23.97,18.311)
  Bottom Layer w0.203: v1(12.787,16.231) 12.797,16.221 12.797,16.206 13.15,15.853 U7.3 ; U3.4 23.707,18.453 23.849,18.311 v1(23.97,18.311)
NetU3_5: U3.5 U4.3 | length 14.7
  Top Layer w0.178: v1(16.908,10.016) 16.978,10.085 16.978,10.861 U4.3
  Bottom Layer w0.178: v1(16.908,10.016) 16.903,10.02 16.903,13.322 16.395,13.83 16.395,15.583 16.809,15.996 20.746,15.996 21.069,16.319 21.069,17.666 21.206,17.803 U3.5
NetU3_8: U3.8 U3.12 | length 5.7
  Bottom Layer w0.178: U3.8 18.214,16.503 18.613,16.902 18.613,18.852 18.377,19.088 U3.12@16.903,19.088
NetU3_9: U3.9 U4.7 | length 5.6
  Top Layer w0.203: U4.7 16.501,14.805 16.268,15.038 16.268,16.243 16.453,16.428 17.481,16.428 17.91,16.857 17.91,17.072 v1(17.996,17.158)
  Bottom Layer w0.203: U3.9 16.851,17.155 17.993,17.155 v1(17.996,17.158)
NetU3_10: U3.10 U7.7 | length 11.7
  Int2 (PWR) w0.178: v1(14.603,17.3) 14.603,15.267 v1(15.329,14.541)
  Bottom Layer w0.178: U7.7 11.45,16.353 12.397,17.3 v1(14.603,17.3) ; v1(15.329,14.541) 15.329,14.668 15.379,14.719 15.797,15.137 15.797,17.398 16.151,17.751 16.797,17.751 U3.10
NetU4_1: U4.1 U6.6 | length 8.9
  Top Layer w0.178: U4.1 16.001,11.48 16.192,11.671 17.996,11.671 18.333,11.334 19.684,11.334 19.875,11.525 19.875,14.897 20.241,15.263 U6.6
NetU4_6: U4.6 U6.4 | length 4
  Top Layer w0.203: U4.6 17.001,13.478 17.09,13.389 18.139,13.389 18.341,13.591 U6.4
RX1: R6.1 U3.13 U6.3 | length 5.1
  Top Layer w0.203: R6.1 16.98,17.183 16.98,17.132 17.716,17.869 18.143,17.869 U6.3@18.341,18.067 ; v1(18.25,19.748) 18.341,19.657 U6.3@18.341,18.067 ; U6.3 U6.3@18.341,18.067
  Bottom Layer w0.203: U3.13 16.851,19.751 18.247,19.751 v1(18.25,19.748)
RX2: R9.2 U3.1 U6.1 | length 6.2
  Top Layer w0.203: R9.2 19.164,19.496 19.605,19.055 19.687,19.055 20.043,18.7 20.043,18.449 U6.1
  Top Layer w0.254: R9.2 19.363,19.795 19.363,20.227 19.512,20.376 21.179,20.376 21.459,20.096 v1(21.566,20.096)
  Bottom Layer w0.254: v1(21.566,20.096) 21.673,20.096 21.882,20.305 22.651,20.305 U3.1
TX1: R5.1 U3.3 U4.5 U5.1 | length 21.8
  Top Layer w0.203: U4.5 17.501,14.936 17.005,15.432 R5.1 17.617,15.532 17.736,15.651 17.736,16.097 18.167,16.528 19.118,16.528 v1(19.215,16.624)
  Int2 (PWR) w0.203: v1(12.361,12.647) 12.361,12.741 13.09,13.469 17.99,13.469 18.402,13.881 18.402,15.811 v1(19.215,16.624)
  Bottom Layer w0.203: v1(12.361,12.647) 12.361,12.666 12.364,12.669 12.364,14.359 U5.1 ; v1(19.215,16.624) 19.215,18.682 19.636,19.103 U3.3
TX2: R7.2 U3.11 U4.2 U5.3 | length 14.4
  Top Layer w0.178: v1(14.059,12.84) 14.059,10.071 14.313,9.817 14.871,9.817 15.349,9.34 15.779,9.34 R7.2@16.04,9.079 ; R7.2 R7.2@16.04,9.079 ; U4.2 16.478,10.861 16.478,10.458 16.226,10.207 16.226,9.849 16.04,9.663 R7.2@16.04,9.079
  Bottom Layer w0.203: v1(14.059,12.84) 14.059,13.348 14.272,13.561 14.272,14.567 15.356,15.651 15.356,17.52 16.242,18.406 16.802,18.406 U3.11
VIN: D1.1 D3.K M1.1 M1.2 M1.3 M1.4 M1.5 | length 9.5
  Top Layer w0.508: M1.4@12.001,7.353 12.014,7.366 15.037,7.366 D1.1
  Bottom Layer w0.254: D3.K 3.619,9.322 2.883,8.585 2.883,7.616 3.116,7.383 4.992,7.383 M1.2
  other v1: 14.592,0.8 15.455,0.8 16.317,0.8 17.18,0.8 18.043,0.8 18.906,0.8 19.768,0.8 20.631,0.8 21.494,0.8 22.357,0.8 23.219,0.8 24.082,0.8 24.945,0.8 25.807,0.8 26.67,0.8 27.533,0.8 28.396,0.8 29.258,0.8 30.121,0.8 30.984,0.8 31.846,0.8 32.709,0.8 33.572,0.8 34.435,0.8 35.297,0.8 36.16,0.8 37.023,0.8 37.886,0.8 38.748,0.8 39.611,0.8 7.607,1.181 8.242,1.181 8.877,1.181 9.512,1.181 39.611,1.657 34.404,2.451 35.267,2.451 36.129,2.451 36.992,2.451 37.855,2.451 38.718,2.451 39.611,2.515 39.611,3.372 35.928,4.229 36.665,4.229 37.401,4.229 38.138,4.229 38.874,4.229 39.611,4.229 14.592,4.356 15.498,4.356 16.403,4.356 17.309,4.356 18.214,4.356 19.12,4.356 20.025,4.356 20.931,4.356 21.837,4.356 22.742,4.356 23.648,4.356 24.553,4.356 25.459,4.356 26.364,4.356 27.27,4.356 28.175,4.356 29.081,4.356 29.987,4.356 30.892,4.356 31.798,4.356 3.543,4.864 4.178,4.864 4.813,4.864 5.448,4.864 11.417,4.864 12.052,4.864 12.687,4.864 13.322,4.864 35.039,4.864 35.039,5.626 35.039,6.388 35.928,7.404 36.665,7.404 37.401,7.404 38.138,7.404 38.874,7.404 39.611,7.404 7.48,8.42 8.115,8.42 8.75,8.42 9.385,8.42 36.436,8.801 37.071,8.801 37.706,8.801 38.341,8.801 38.976,8.801 39.611,8.801
pads on no net: U1.2 U1.14

## Polygon pours and split planes (outlines as drawn)
VIN on Int1 (GND) "VIN_L02_P008" (solid, remove dead copper, pour order 8): 31.915,0 2.5,0 2.5,9.436 14.211,9.436 14.211,4.775 31.762,4.775 36.207,9.22 40.627,9.22 40.627,0.178 40.449,0
GND on Int1 (GND) "GND_L02_P005" (solid, remove dead copper, pour order 5): 31.915,26.987 2.5,26.987 2.5,17.767 14.211,17.767 14.211,22.212 31.762,22.212 36.207,17.767 40.119,17.767 40.119,26.987
GND_I on Int1 (GND) "GND_I_L02_P001" (solid, pour order 1): 29.4,19.621 29.629,19.85 31.864,19.85 32.712,19.002 35.623,16.091 36.944,16.091 37.401,15.634 37.401,10.909 36.944,10.452 35.42,10.452 32.712,7.744 32.37,7.402 29.4,7.407
GND on Int1 (GND) "GND_L02_P000" (solid, remove dead copper, pour order 0): 14.719,17.31 14.713,21.501 25.641,21.501 25.641,5.372 15.227,5.372 15.227,9.436 14.719,9.944 7.266,9.944 7.266,17.31
VIN on Bottom Layer "VIN_L04_P007" (solid, remove dead copper, pour order 7): 31.915,0 2.5,0 2.5,9.525 14.211,9.525 14.211,4.775 31.762,4.775 36.207,9.22 40.627,9.22 40.627,0.178 40.449,0
GND on Bottom Layer "GND_L04_P004" (solid, remove dead copper, pour order 4): 31.915,27 2.5,27 2.5,17.78 2.5,16.942 7.279,16.942 7.48,17.654 8.338,17.67 14.211,17.78 14.211,22.225 31.762,22.225 36.207,17.78 40.627,17.78 40.627,26.822 40.449,27
no net on Bottom Layer "NONET_L04_P002" (solid, pour order 2): 33.363,26.987
VIN on Top Layer "VIN_L01_P009" (solid, remove dead copper, pour order 9): 31.915,0 2.5,0 2.5,9.436 14.211,9.436 14.211,4.775 31.762,4.775 36.207,9.22 40.627,9.22 40.627,0.178 40.449,0
GND on Top Layer "GND_L01_P003" (solid, remove dead copper, pour order 3): 31.915,26.987 2.5,26.987 2.5,17.688 14.211,17.712 14.211,22.212 31.762,22.212 36.207,17.767 40.627,17.767 40.627,26.81 40.449,26.987
VIN on Int2 (PWR) "VIN_L03_P010" (solid, remove dead copper, pour order 10): 31.915,0 2.5,0 2.5,9.436 14.211,9.436 14.211,4.775 31.762,4.775 36.207,9.22 40.627,9.22 40.627,0.178 40.449,0
GND on Int2 (PWR) "GND_L03_P006" (solid, remove dead copper, pour order 6): 31.915,26.987 2.5,26.987 2.5,17.767 14.211,17.767 14.211,22.212 31.762,22.212 36.207,17.767 40.627,17.767 40.627,26.81 40.449,26.987
no net on Top Solder "NONET_L02_P-001" (solid): 40.119,9.207 36.207,9.207 34.023,7.023 34.023,2.921 39.992,2.921 39.992,5 35.826,5 35.826,6.6 40.119,6.6
no net on Top Solder "NONET_L02_P-001" (solid): 39.992,17.776 36.106,17.776 33.996,19.886 33.996,24.003 39.992,24.003 39.992,22.009 35.699,22.009 35.699,20.409 39.992,20.409
no net on Bottom Solder "NONET_L02_P-001" (solid): 40.119,9.207 36.207,9.207 34.023,7.023 34.023,2.921 39.992,2.921 39.992,5 35.826,5 35.826,6.6 40.119,6.6
no net on Bottom Solder "NONET_L02_P-001" (solid): 40.119,17.767 36.245,17.767 34.023,19.99 34.023,24.003 39.992,24.003 39.992,22.013 35.826,22.013 35.826,20.413 40.119,20.413

## Keep-outs
Keep-Out Layer:
  lines w0.152: 40.5,0 0,0 0,27 40.5,27 ; 40.5,0.013 40.5,5.207 36.028,5.207 36.028,6.477 40.5,6.477 40.5,20.574 36.028,20.574 36.028,21.844 40.5,21.844 40.5,26.987

## Other copper
Bottom Layer:
  rectangle net VIN: 2.756,9.195 4.534,10.846
  rectangle net GND: 2.781,15.57 4.33,17.196
  text "L" at 1.841,14.275 h1.52
  text "H" at 1.867,11.201 h1.52

## Silkscreen, mask and mechanical layers (free items; w line width, h text height)
Top Solder:
  lines w0.762: 3.543,4.864 5.448,4.864 ; 3.543,22.136 5.448,22.136 ; 7.48,8.42 9.385,8.42 ; 7.607,1.181 9.512,1.181 ; 7.734,18.453 9.639,18.453 ; 7.734,26.2 9.639,26.2 ; 11.417,4.864 13.322,4.864 13.83,4.356 14.592,4.356 31.798,4.356 ; 11.671,22.136 13.576,22.136 14.084,22.644 14.592,22.644 31.798,22.644 ; 14.592,0.8 39.611,0.8 39.611,4.229 35.928,4.229 35.674,4.229 ; 14.592,26.2 39.611,26.2 39.611,22.771 35.547,22.771 ccw(c35.547,22.263) 35.039,22.263 35.039,20.231 ; 35.039,4.864 35.039,6.388 35.039,6.515 ; 35.039,20.485 35.039,19.596 ; 35.928,7.404 39.611,7.404 ; 36.436,8.801 39.611,8.801 ; 35.039,19.596 35.674,19.596 39.611,19.596 39.611,18.199 36.436,18.199 35.039,19.596
  text "-" at 17.194,24.003 h5.08 r90
  text "H" at 38.392,16.256 h1.52
  text "+" at 15.354,1.422 h3.81
Bottom Solder:
  drawing of 29 lines, arcs and shapes, not listed
  text "-" at 31.737,23.606 h3.81
  text "L" at 39.078,9.652 h1.52
  text "+" at 31.585,1.451 h3.81
Mechanical 1:
  the board outline again, w0.152
Mechanical 2:
  lines w0.152: 40.297,13.5 40.5,13.5

## Dimensions
0.012,0 to 0,27 on Mechanical 2
40.5,0 to 0,0 on Mechanical 2